# Altium PCB AI_PCB.PcbDoc (continued)
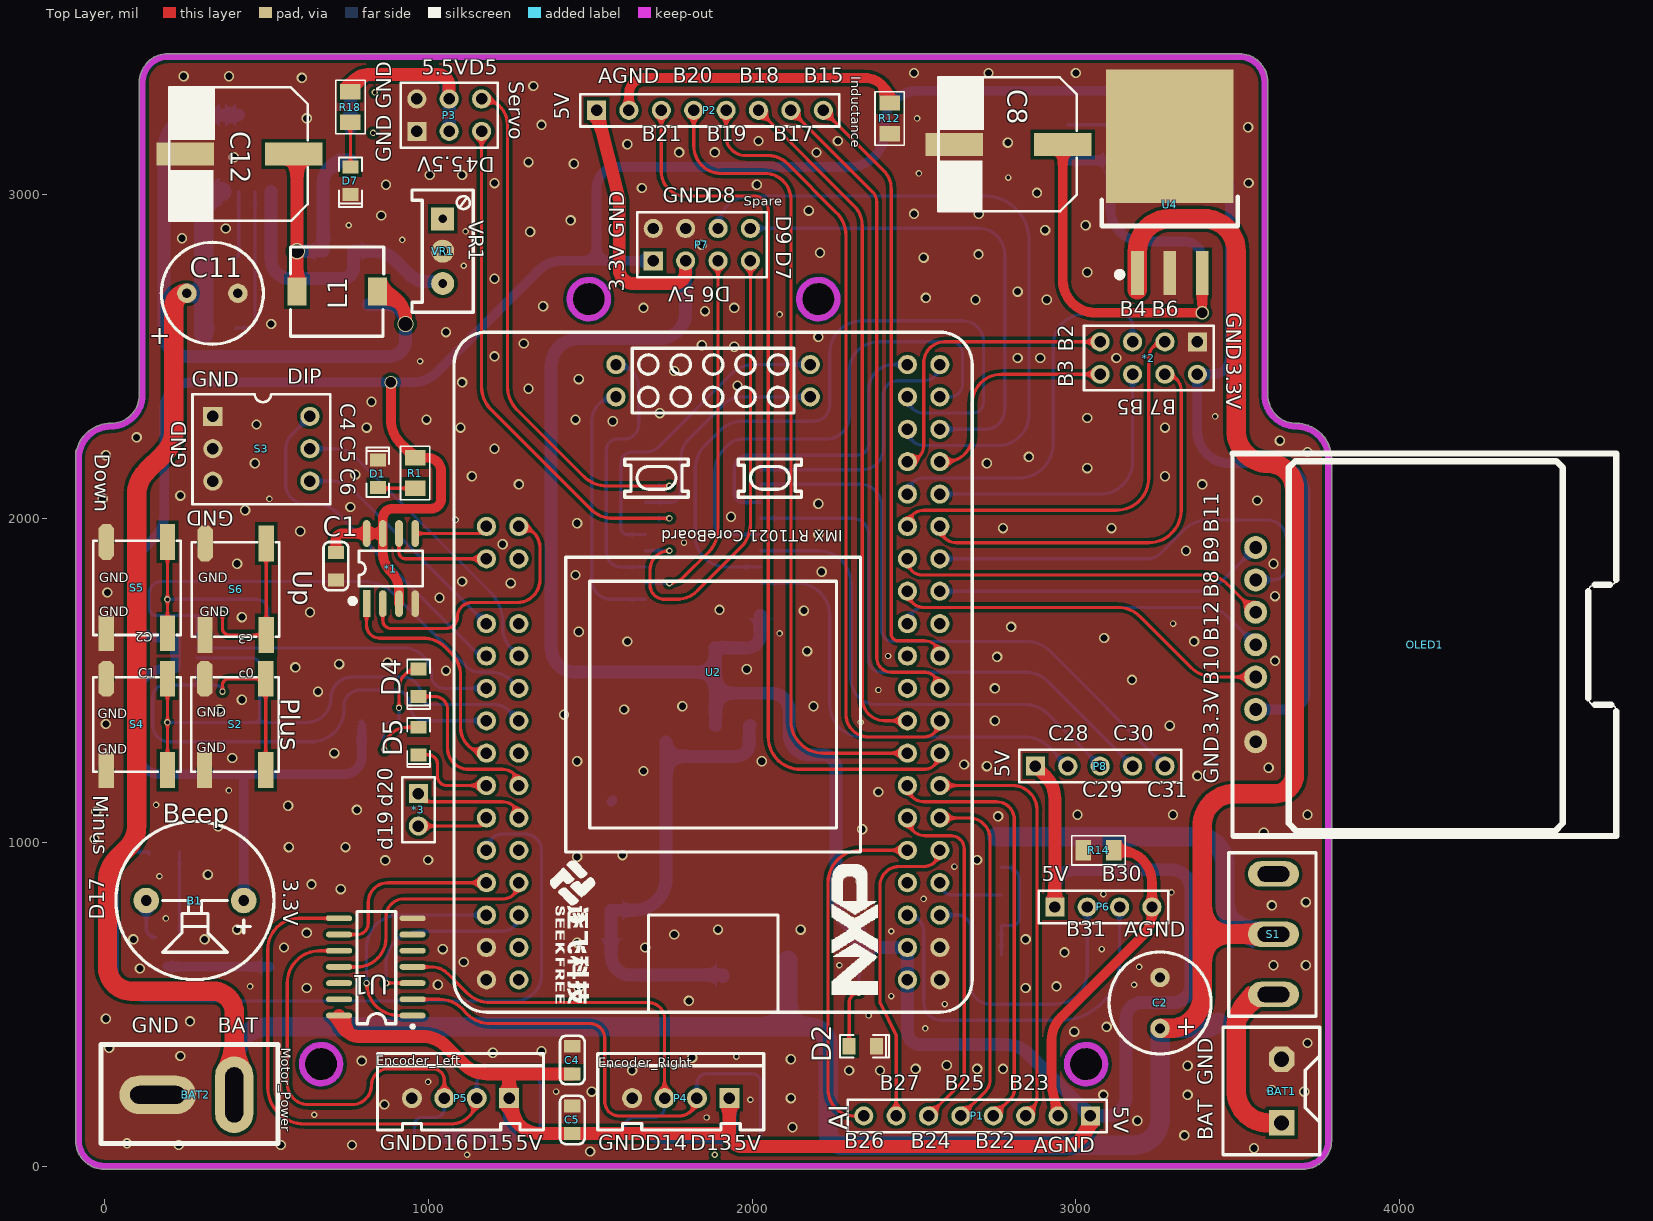
[diagram p0: Top Layer view]
## Nets (pads, with @x,y where several pads share a name; then routed paths per layer and width w, separated by ;. In a path a pad name is that pad's centre, name@x,y a point inside that pad or via, vN(x,y) a via of type N, cw(c..) or ccw(c..) an arc to the next point about the centre after c; other vN are vias at no path point)
3.3V: *1.3 *1.7 *1.8 *2.2 B1.1 C1.1 F2.2 OLED1.2 P7.1 R1.2 R13.2 RP1.5 RP1.6 RP1.7 RP1.8 RP2.3 RP2.4 | length 10019.2
  Top Layer w30: C1.1 715,1935 cw(c733.27,1935) 733.27,1953.27 *1.8 *1.7 ; v5(885,2420) 885,2303.67 ccw(c985,2303.67) 914.29,2232.95 R1.2 997.76,2187.24 cw(c997.76,2145) 1040,2145 1040,2060 cw(c1010,2060) 1010,2030 890,2030 ccw(c890,2000) 860,2000 *1.7 ; *1.3 910,1774.64 ccw(c824.64,1774.64) 885.04,1834.96 ccw(c824.64,1774.64) 885,1835 cw(c945.36,1895.36) 884.96,1835.04 cw(c945.36,1895.36) 860,1895.36 *1.7
  Bottom Layer w20: RP2.4 RP2.3
  Bottom Layer w30: B1.1 430.59,1209.41 430,1210 ; RP2.4 795,1265 cw(c740,1265) 740,1210 430,1210 ; P7.1 1520,2795 ; OLED1.2 3655,1410 ccw(c3655,1465) 3710,1465 3710,2070 ccw(c3610,2070) 3610,2170 3475,2170 cw(c3475,2270) 3375,2270 *2.2 3425,2445 ccw(c3425,2495) 3475,2495 3475,3015 ccw(c3385,3015) 3385,3105 F2.2 3213.15,3214.09 ccw(c3212.24,3214.09) R13.2 3212.24,3220 ccw(c3112.24,3220) 3112.24,3320 2510,3320 ccw(c2510,3220) 2410,3220 2410,3195 cw(c2300,3195) 2300,3085 1585,3085 ccw(c1585,3020) 1520,3020 1520,2795 ; 430,1210 175,1210 cw(c175,1290) 95,1290 95,1437.01 cw(c195,1437.01) 195,1537.01 RP1.8 RP1.7 RP1.6 RP1.5 168.5,1631.5 cw(c168.5,1715) 85,1715 85,1828.58 cw(c185,1828.58) 114.29,1899.29 155.71,1940.71 ccw(c85,2011.42) 185,2011.42 185,2335 cw(c270,2335) 270,2420 v5(885,2420) 953.58,2420 ccw(c953.58,2520) 1024.29,2449.29 1340.71,2765.71 cw(c1411.42,2695) 1411.42,2795 1520,2795
5.5V: F3.2 P3.3 P3.4 R18.2 | length 1002.3
  Top Layer w40: R18.2@767.87,3317.24 R18.2 cw(c812.76,3317.24) 812.76,3370 1030,3370 cw(c1030,3335) 1065,3335 P3.4
  Bottom Layer w40: F3.2@760,3205 F3.2 760,3300 cw(c830,3300) 830,3370 1030,3370 cw(c1030,3338.65) 1061.35,3338.65 1061.35,3298.65 P3.4 P3.3
5V: C4.1 C5.1 C10.1 F1.2 P1.1 P2.1 P4.1 P5.1 P6.1 P7.3 P8.1 R7.2 R8.2 R9.2 R10.2 R11.2 U1.14 U2.2 U2.4 U6.20 | length 11061.5
  Top Layer w40: U1.14 ccw(c790,465) 790,400 983.58,400 cw(c983.58,300) 1054.29,370.71 1110.71,314.29 ccw(c1181.42,385) 1181.42,285 1245,285 ; C4.1 1245,285 ; P2.1 1590,2985 1590,2769.14 ccw(c1634.14,2769.14) 1634.14,2725 1760,2725 ccw(c1760,2760) 1795,2760 P7.3 ; P4.1 1930,100 ; P8.1 2905.71,1204.29 cw(c2835,1133.58) 2935,1133.58 P6.1 ; P1.1 3045,150 cw(c2955,150) 2955,60 1970,60 cw(c1970,100) 1930,100 ; 1245,285 1250,280 P5.1 1250,200 ccw(c1350,200) 1350,100 C5.1 1930,100
  Bottom Layer w40: R9.2 R10.2 1252.76,207.24 ccw(c1250,207.24) P5.1 ; R7.2 1930,90 1931.38,91.38 1931.38,208.62 P4.1 ; P7.3 1795,2635 cw(c1715,2635) 1715,2555 1465,2555 ccw(c1465,2470) 1380,2470 1380,1600 ccw(c1455,1600) 1455,1525 1886.85,1525 ; F1.2 1886.85,1460 ; U6.20 2025,1699.2 2025,1640 cw(c1985,1640) 1985,1600 C10.1 1885,1595 1886.85,1593.15 1886.85,1525 ; P6.1 2935,855 cw(c2995,855) 2995,915 3295,915 cw(c3295,855) 3355,855 3355,560 cw(c3300,560) 3300,505 3205,505 ccw(c3205,455) 3155,455 3155,215 cw(c3095,215) 3095,155 P1.1 2854.29,345.71 ccw(c2783.58,275) 2783.58,375 2520,375 cw(c2520,415) 2480,415 U2.2 U2.4 2367.24,675 cw(c2367.24,712.24) R11.2 2322.13,712.24 2318.5,715.87 2318.5,723.74 2281.12,761.12 cw(c2332.12,812.12) 2260,812.12 2260,1228.58 ccw(c2218.58,1228.58) 2218.58,1270 2175,1270 cw(c2175,1330) 2115,1330 2115,1405 ccw(c2060,1405) 2060,1460 1886.85,1460 ; 1886.85,1460 1886.85,1525
AGND: P1.2 P2.2 P6.4 Q1.3 R6.1 R12.1 R14.1 | length 2260.9
  Top Layer w30: P2.2 1620,3310 cw(c1670,3310) 1670,3360 2347.24,3360 cw(c2347.24,3282.24) R12.1 ; P1.2 2925.71,241.79 2925,245 2925,388.58 cw(c3025,388.58) 2954.29,459.29 3205.71,710.71 ccw(c3135,781.42) 3235,781.42 P6.4 3235,875 ccw(c3135,875) 3135,975 R14.1
  Bottom Layer w30: Q1.3 195.81,615.81 509.71,615.81 R6.1
B2: *2.7 U2.34 | length 915.6
  Top Layer w10: U2.34 ccw(c2480,2225) 2530,2225 2530,2480 cw(c2595,2480) 2595,2545 *2.7
B3: *2.8 U2.33 | length 692
  Top Layer w10: U2.33 2600,2175 ccw(c2600,2255) 2680,2255 2680,2355 cw(c2770,2355) 2770,2445 *2.8
B4: *2.5 U2.32 | length 1212.7
  Bottom Layer w10: U2.32 cw(c2530,2075) 2530,2125 2825,2125 ccw(c2825,2230) 2930,2230 2930,2535 cw(c3025,2535) 3025,2630 3140,2630 cw(c3140,2595) 3175,2595 *2.5
B5: *2.6 U2.31 | length 922.1
  Bottom Layer w10: U2.31 3075,2075 ccw(c3075,2175) 3175,2175 *2.6
B6: *2.3 U2.30 | length 1279.2
  Top Layer w10: U2.30 cw(c2530,1975) 2530,2025 3125,2025 ccw(c3125,2125) 3225,2125 3225,2495 cw(c3275,2495) *2.3
B7: *2.4 U2.29 | length 1279.2
  Top Layer w10: U2.29 ccw(c2630,1975) 2630,1925 3225,1925 ccw(c3225,2025) 3325,2025 3325,2395 ccw(c3275,2395) *2.4
B8: OLED1.5 U2.28 | length 1149
  Top Layer w10: U2.28 2480,1870 ccw(c2525,1870) 2525,1825 3398.58,1825 cw(c3398.58,1725) 3469.29,1795.71 OLED1.5
B9: OLED1.6 U2.27 | length 1349.9
  Bottom Layer w10: U2.27 3220,1875 ccw(c3220,1935.36) 3262.68,1892.68 3335.71,1965.71 cw(c3406.42,1895) 3406.42,1995 3590,1995 cw(c3590,1935) 3650,1935 3650,1850 cw(c3610,1850) 3610,1810 OLED1.6
B10: OLED1.3 U2.26 | length 1184.1
  Top Layer w10: U2.26 ccw(c2530,1775) 2530,1725 3130,1725 cw(c3130,1628.43) 3198.28,1696.72 3355.71,1539.29 ccw(c3426.42,1610) 3426.42,1510 OLED1.3
B11: OLED1.7 U2.25 | length 1026.6
  Bottom Layer w10: U2.25 3378.58,1775 ccw(c3378.58,1875) 3449.29,1804.29 OLED1.7
B12: OLED1.4 U2.24 | length 1150.3
  Bottom Layer w10: U2.24@2482.46,1677.46 U2.24 cw(c2530,1675) 2530,1725 3398.58,1725 cw(c3398.58,1625) 3469.29,1695.71 OLED1.4
B15: P2.8 U2.21 | length 1889.7
  Top Layer w10: P2.8 2406.72,3073.28 cw(c2350.5,3017.07) 2430,3017.07 2430,1642.33 ccw(c2450.27,1642.33) 2450.27,1622.06 2532.94,1622.06 cw(c2532.94,1575) U2.21
B17: P2.7 U2.19 | length 2047.2
  Top Layer w10: P2.7 2372.5,3007.5 cw(c2342.32,2977.32) 2385,2977.32 2385,1570 ccw(c2430,1570) 2430,1525 2530,1525 cw(c2530,1475) U2.19
B18: P2.6 U2.18 | length 2123.9
  Top Layer w10: P2.6 2315.71,2964.29 cw(c2257.07,2905.65) 2340,2905.65 2340,1445 ccw(c2410,1445) 2410,1375 U2.18
B19: P2.5 U2.17 | length 2439.7
  Top Layer w10: P2.5 1920,3180 ccw(c1980,3180) 1980,3120 2050,3120 cw(c2050,3035.5) 2109.72,3095.28 ; 2109.75,3095.25 2260.71,2944.29 cw(c2190,2873.58) 2290,2873.58 2290,1395 ccw(c2360,1395) 2360,1325 2530,1325 ccw(c2530,1375) U2.17
B20: P2.4 U2.16 | length 2531.3
  Top Layer w10: P2.4 1820,3150 ccw(c1905,3150) 1905,3065 2040,3065 cw(c2040,2985) 2120,2985 2120,1375 ccw(c2220,1375) 2220,1275 U2.16
B21: P2.3 U2.15 | length 2829.1
  Top Layer w10: P2.3 1720,3070 ccw(c1795,3070) 1795,2995 2005,2995 cw(c2005,2950) 2050,2950 2050,1325 ccw(c2150,1325) 2150,1225 2530,1225 ccw(c2530,1275) U2.15
B22: P1.4 U2.14 | length 1330.4
  Top Layer w10: U2.14 ccw(c2530,1175) 2530,1125 2755,1125 cw(c2755,1070) 2810,1070 2810,234.35 cw(c2775.36,234.35) 2799.85,209.85 P1.4
B23: P1.3 U2.13 | length 1299.7
  Top Layer w10: U2.13 2805,1175 cw(c2805,1100) 2880,1100 2880,215 cw(c2819.64,215) 2862.32,172.32 P1.3
B24: P1.6 U2.12 | length 1097.6
  Top Layer w10: U2.12 ccw(c2535,1075) 2535,1020 2615,1020 cw(c2615,980) 2655,980 2655,286.42 cw(c2603.28,286.42) 2639.85,249.85 P1.6
B25: P1.5 U2.11 | length 1082.2
  Top Layer w10: U2.11 2670,1075 cw(c2670,1010) 2735,1010 2735,266.42 cw(c2683.28,266.42) 2719.85,229.85 P1.5
B26: P1.8 U2.10 | length 1097.7
  Top Layer w10: P1.8 2315,155 cw(c2315,235) 2235,235 2235,875 cw(c2335,875) 2335,975 U2.10
B27: P1.7 U2.9 | length 969.6
  Top Layer w10: P1.7 2445,405 2396.06,502.89 2395,505 2395,865 cw(c2455,865) 2455,925 2530,925 ccw(c2530,975) U2.9
B29: R3.2 U2.7 | length 211.6
  Bottom Layer w10: U2.7 ccw(c2617.76,875) 2617.76,837.24 R3.2
B30: P6.3 U2.6 | length 1205.6
  Bottom Layer w10: U2.6 cw(c2480,725) 2530,725 2530,505 ccw(c2585,505) 2585,450 2950.11,450 ccw(c2950.11,634.89) 3135,634.89 P6.3
B31: P6.2 U2.5 | length 944.2
  Bottom Layer w10: U2.5 2635,775 cw(c2635,735) 2675,735 2675,560 ccw(c2735,560) 2735,500 2935,500 ccw(c2935,600) 3035,600 P6.2
BAT: BAT2.2 C2.1 C3.2 C11.1 R2.2 R16.2 R17.1 S1.2 U3.1 U4.1 U5.4 | length 12335.8
  Top Layer w50: C11.1@255,2692.29 C11.1
  Top Layer w60: C11.1 ccw(c255,2655) 215,2655 215,2271.42 cw(c115,2271.42) 185.71,2200.71 129.29,2144.29 ccw(c200,2073.58) 100,2073.58 100,1051.42 cw(c0,1051.42) 70.71,980.71 39.29,949.29 ccw(c110,878.58) 10,878.58 10,615 ccw(c85,615) 85,540 335,540 cw(c335,473.78) 401.22,473.78 BAT2.2 BAT2.2@401.22,160 ; U4.1@3190,2705 U4.1 3190,2825 cw(c3290,2825) 3290,2925 3395,2925 cw(c3395,2825) 3495,2825 3495,2270 ccw(c3595,2270) 3595,2170 cw(c3595,2090) 3675,2090 3675,1210 cw(c3615,1210) 3615,1150 3490,1150 ccw(c3490,1050) 3390,1050 3390,716 ; C2.1 3290,425 ccw(c3290,525) 3390,525 3390,716 ; S1.2@3650,716 S1.2 3390,716
  Bottom Layer w60: C11.1 306.38,2695 ccw(c306.38,2696.38) 307.76,2696.38 ; R17.1@307.76,2570 R17.1@307.76,2587.76 ; R17.1 cw(c310.51,2587.76) R17.1@307.76,2587.76 ; U5.4@363.19,3008.78 361.44,3008.59 ccw(c367.7,2948.92) 307.76,2951.54 R16.2 307.76,2696.38 ; BAT2.2@401.22,160 BAT2.2 401.22,330 cw(c501.22,330) 501.22,430 2110,430 ; U3.1@2110,635 U3.1 2110,430 ; R2.2@2755,1017.24 R2.2 3372.76,1017.24 cw(c3372.76,930) 3460,930 3460,816 ccw(c3560,816) 3560,716 S1.2 S1.2@3655,716 ; C3.2 cw(c3391.72,493.28) 3391.72,425 C2.1 3260,145 cw(c3180,145) 3180,65 2274.29,65 cw(c2274.29,104.29) 2235,104.29 2235,370 ccw(c2175,370) 2175,430 2110,430 ; R17.1@307.76,2587.76 307.76,2696.38
Buffer_D6: P7.5 U6.3 | length 1138.4
  Top Layer w10: v2(1745,1800) ccw(c1745,1860.36) 1787.68,1817.68 1865.71,1895.71 ccw(c1795,1966.42) 1895,1966.42 P7.5
  Bottom Layer w10: U6.3 v2(1745,1800)
Buffer_D7: P7.7 U6.5 | length 1473.9
  Top Layer w10: v2(1745,1900) ccw(c1745,1840) 1685,1840 1685,1795 ccw(c1730,1795) 1730,1750 1767.5,1750 ccw(c1767.5,1840.53) 1831.52,1776.52 1965.71,1910.71 ccw(c1895,1981.42) 1995,1981.42 P7.7
  Bottom Layer w10: U6.5 v2(1745,1900)
C0: RP1.1 S2.2 U2.76 | length 2044.1
  Top Layer w10: v2(365,1465) 365,1485 cw(c385,1485) 385,1505 498.58,1505 S2.2@498.58,1222.72
  Bottom Layer w10: RP1.1 287,1485 ; v2(365,1465) ccw(c345,1465) 345,1485 287,1485 ; U2.76 990,1375 cw(c990,1420) 945,1420 ccw(c895,1420) 895,1470 790,1470 ccw(c790,1420) 740,1420 740,1410 cw(c640,1410) 640,1310 200,1310 cw(c200,1360) 150,1360 150,1450 cw(c185,1450) 185,1485 287,1485
C1: RP1.2 S4.2 U2.75 | length 1895.2
  Top Layer w10: S4.2@195,1222.72 v2(195,1370) S4.2@195,1505
  Bottom Layer w10: v2(195,1370) 480,1370 ; RP1.2 456.5,1568.5 cw(c456.5,1545) 480,1545 480,1370 ; U2.75 1247.68,1407.32 ccw(c1205,1364.64) 1205,1425 1005,1425 cw(c1005,1450) 980,1450 ccw(c920,1450) 920,1510 765,1510 ccw(c765,1445) 700,1445 cw(c625,1445) 625,1370 480,1370
C2: RP1.3 S5.2 U2.74 | length 1691.6
  Top Layer w10: S5.2@195,1645 v2(195,1750) S5.2@195,1927.28
  Bottom Layer w10: v2(195,1750) 470,1750 cw(c470,1715) 505,1715 505,1600 ; RP1.3 505,1600 ; U2.74 1050,1475 cw(c1050,1515) 1010,1515 ccw(c925,1515) 925,1600 505,1600
C3: RP1.4 S6.2 U2.73 | length 2116.3
  Top Layer w10: v2(365,1705) 365,1660 ccw(c385,1660) 385,1640 500,1640 S6.2@500,1922.28
  Bottom Layer w10: RP1.4 287,1700 ; v2(365,1705) cw(c360,1705) 360,1700 287,1700 ; 1254.72,1500.28 ccw(c1195,1440.5) 1195,1525 1160,1525 cw(c1160,1585.36) 1117.32,1542.68 892.95,1767.05 892.88,1767.12 ccw(c801.37,1675.53) 801.37,1805 175,1805 ccw(c175,1770) 140,1770 140,1720 ccw(c160,1720) 160,1700 287,1700 ; 1254.75,1500.25 U2.73
C4: S3.6 U2.72 | length 1081.2
  Bottom Layer w10: S3.6 580,2260 ccw(c628.28,2211.72) 560,2211.72 560,2105 ccw(c620,2105) 620,2045 653.58,2045 cw(c653.58,1957.07) 715.75,2019.25 1145.86,1589.14 ccw(c1180,1623.28) U2.72
C5: S3.5 U2.71 | length 961.4
  Bottom Layer w10: S3.5 681.72,2215 715.86,2215 cw(c715.86,2132.57) 774.11,2190.89 ; 774.14,2190.86 1189.34,1775.66 cw(c1091.18,1677.5) 1230,1677.5 1230,1660 ccw(c1314.5,1660) 1254.72,1600.28 ; 1254.75,1600.25 U2.71
C6: S3.4 U2.70 | length 723.6
  Bottom Layer w10: S3.4 704.64,2115 cw(c704.64,2029.64) 764.96,2090.04 cw(c704.64,2029.64) 765,2090 U2.70
C10: *1.6 U2.66 | length 339.7
  Top Layer w10: *1.6 910,1895 ccw(c930,1895) 930,1875 U2.66
C12: *1.5 U2.64 | length 241.1
  Top Layer w10: *1.5 1158.27,1953.27 ccw(c1158.27,1975) U2.64 U2.64@1171.35,1975
C13: *1.2 U2.63 | length 838.7
  Top Layer w10: *1.2 860,1685 ccw(c885,1685) 885,1660 1055,1660 ccw(c1055,1695) 1090,1695 cw(c1135,1695) 1135,1740 1275,1740 ccw(c1275,1810) 1345,1810 1345,1910 ccw(c1280,1910) U2.63
C28: U2.48 U6.2 | length 808.6
  Bottom Layer w10: U2.48 ccw(c1580,2300) 1505,2300 1505,1810 ccw(c1565,1810) 1565,1750 U6.2
C29: U2.47 U6.4 | length 832.8
  Bottom Layer w10: U2.47 cw(c1580,2405) 1650,2405 1650,2290 cw(c1605,2290) 1605,2245 1585,2245 ccw(c1585,2210) 1550,2210 1550,1895 ccw(c1595,1895) 1595,1850 U6.4
C30: U2.46 U6.6 | length 997.8
  Bottom Layer w10: U6.6 1615.86,1950 cw(c1615.86,1970.86) 1595,1970.86 1595,2170 cw(c1630,2170) 1630,2205 1673.6,2205 ; 1673.64,2205 ccw(c1673.64,2256.56) 1710.14,2220.14 1935.71,2445.71 cw(c2006.42,2375) 2006.42,2475 U2.46
C31: U2.45 U6.8 | length 722.3
  Bottom Layer w10: U6.8 1750,2050 ccw(c1750,2080) 1780,2080 1780,2183.58 cw(c1867.93,2183.58) 1805.75,2245.75 1909.25,2349.25 cw(c1971.42,2287.07) 1971.42,2375 U2.45
D4: U2.40 U6.13 | length 964.6
  Bottom Layer w10: U6.13 1970,2050 cw(c1970,2075) 1945,2075 1945,2155 cw(c1985,2155) 1985,2195 2325,2195 ccw(c2325,2230) 2360,2230 2360,2397.5 cw(c2437.5,2397.5) 2437.5,2475 U2.40
D5: U2.39 U6.11 | length 810.5
  Bottom Layer w10: U6.11 2340,2150 ccw(c2340,2215) 2405,2215 2405,2380 cw(c2450,2380) 2450,2425 2530,2425 ccw(c2530,2475) U2.39
D6: U2.38 U6.17 | length 2181.2
  Bottom Layer w10: U6.17 1920,1850 cw(c1920,1945) 1825,1945 1825,2153.58 cw(c1925,2153.58) 1854.29,2224.29 1900.71,2270.71 cw(c1971.42,2200) 1971.42,2300 2190,2300 ccw(c2190,2350) 2240,2350 2240,2510 cw(c2340,2510) 2340,2610 2650,2610 cw(c2650,2545) 2715,2545 2715,2360 cw(c2680,2360) 2680,2325 2530,2325 cw(c2530,2375) U2.38
D7: U2.37 U6.15 | length 1585
  Bottom Layer w10: U6.15 1915,1950 cw(c1915,1980) 1885,1980 1885,2143.58 cw(c1985,2143.58) 1914.29,2214.29 1927.32,2227.32 cw(c1970,2184.64) 1970,2245 2230,2245 ccw(c2230,2315) 2300,2315 2300,2455 cw(c2390,2455) 2390,2545 2615,2545 cw(c2615,2510) 2650,2510 2650,2415 cw(c2610,2415) 2610,2375 U2.37
D8: P7.6 U2.36 | length 2091.9
  Bottom Layer w10: P7.6 cw(c1995,2895) 1995,2995 2720,2995 cw(c2720,2860) 2855,2860 2855,2320 cw(c2760,2320) 2760,2225 2530,2225 cw(c2530,2275) U2.36
D9: P7.8 U2.35 | length 1545.8
  Bottom Layer w10: P7.8 1995.86,2895.86 2699.14,2895.86 cw(c2699.14,2815) 2780,2815 2780,2335 cw(c2720,2335) 2720,2275 U2.35
D13: U1.1 U2.88 | length 736.2
  Top Layer w10: v2(810,565) ccw(c910,565) 910,465 U1.1
  Bottom Layer w10: v2(810,565) 810,675 cw(c910,675) 910,775 U2.88
D14: U1.3 U2.87 | length 637.6
  Top Layer w10: v2(870,565) U1.3
  Bottom Layer w10: v2(870,565) 870,625 cw(c970,625) 970,725 1230,725 ccw(c1230,775) U2.87
D15: U1.9 U2.86 | length 574.5
  Top Layer w10: U1.9 781.47,715 ccw(c781.47,748.53) 815,748.53 815,814.16 cw(c875.84,814.16) 875.84,875 U2.86
D16: U1.11 U2.85 | length 731.3
  Top Layer w10: U1.11 780,615 ccw(c780,705) 870,705 870,770 cw(c925,770) 925,825 1230,825 ccw(c1230,875) U2.85
D17: R4.1 U2.84 | length 2479.2
  Bottom Layer w10: R4.1@137.76,962.13 R4.1 75,970 ccw(c75,935) 40,935 40,610 ccw(c110,610) 40.81,599.36 ccw(c130.17,599.36) 130.17,510 1270,510 ccw(c1270,590) 1350,590 1350,975 ccw(c1300,975) 1300,1025 1230,1025 ccw(c1230,975) U2.84
D19: *3.2 U2.82 | length 224.3
  Top Layer w10: *3.2 1155,1050 ccw(c1155,1075) U2.82
D20: *3.1 U2.81 | length 352.8
  Top Layer w10: *3.1 ccw(c995,1150) 995,1125 1230,1125 cw(c1230,1075) U2.81
D21: D5.2 U2.80 | length 280.2
  Top Layer w10: D5.2 1000,1270 cw(c1000,1241.45) 1028.55,1241.45 1028.55,1204.13 ccw(c1057.68,1204.13) 1057.68,1175 U2.80
D22: D4.2 U2.79 | length 518.5
  Top Layer w10: D4.2 1020,1450 cw(c1020,1410) 1060,1410 1060,1290 ccw(c1125,1290) 1125,1225 1230,1225 cw(c1230,1175) U2.79
D23: *1.1 U2.78 | length 727.8
  Top Layer w10: *1.1 810,1670 ccw(c850,1670) 850,1630 983.58,1630 cw(c983.58,1530) 1054.29,1600.71 1071.72,1583.28 cw(c1003.43,1515) 1100,1515 1100,1355 ccw(c1180,1355) U2.78
GND: *1.4 *2.1 BAT1.2 BAT2.1 C1.2 C2.2 C3.1 C4.2 C5.2 C6.2 C7.1 C8.2 C9.1 C10.2 C11.2 C12.2 D1.2 D2.2 D3.2 D6.1 D7.2 OLED1.1 P3.1 P3.2 P4.4 P5.4 P7.2 P7.4 R5.1 R6.2 R12.2 R14.2 S2.1 S3.1 S3.2 S3.3 S4.1 S5.1 S6.1 U1.7 U2.1 U2.3 U2.90 U2.92 U3.2 U4.2 U5.7 U5.8 U6.1 U6.10 U6.19 VR1.2 | length 14.1
  Top Layer w30: S4.1@6.02,1222.72 S4.1@6.22,1222.91 ; S5.1@6.22,1644.8 6.02,1645 S5.1@6.22,1645.2 ; S5.1@6.22,1927.09 S5.1@6.42,1927.28 ; S4.1@6.42,1502.28 6.22,1502.48 6.22,1504.8 S4.1@6.42,1505 ; S2.1@309.61,1222.72 S2.1@309.8,1222.91 ; S2.1@309.8,1504.8 310,1505 S2.1@310.51,1505.51 ; S6.1@310.51,1639.49 311.02,1640 S6.1@311.22,1640.2 ; S6.1@311.22,1922.09 S6.1@311.42,1922.28
  Bottom Layer w30: C6.2 C6.2@1570.35,1130
  other v1: 1500,45 3550,55 230,65 545,65 765,65 70,70 3335,95 2125,120 3190,140 865,190 2120,210 3085,220 3345,220 1505,230 3705,230 3605,235 1630,295 2300,295 2395,295 2505,300 2695,300 2775,300 3345,310 2601.11,311.51 795,325 2120,330 1815,335 235,340 1200,350 1350,355 15,365 3715,380 2995,415 3095,430 264.64,446.81 5,455 1805,510 625,550 1465,550 2845,550 2940,555 1030,560 110,610 3610,620 3710,620 1110,630 2965,660 1045,670 555,675 1670,675 1460,690 90,700 310,700 2845,700 1760,715 625,720 410,730 1895,730 2150,730 3605,805 3710,815 730,855 640,870 2335,880 320,900 867.52,944.13 1000,945 2695,945 1460,955 1600,960 570,984.85 745,985 -30,1010 3580,1030 2340,1040 351.87,1048.84 2760,1080 3005,1085 3300,1085 3715,1085 -25,1095 780,1100 567.73,1112.69 2390,1155 3375,1205 1665,1220 3595,1230 2725,1235 2655,1240 1460,1250 2030,1250 395,1260 710,1275 3290,1360 5,1365 2750,1375 1419.53,1393.95 355,1410 1605,1410 1785,1420 2190,1420 425,1440 660,1465 2750,1475 3173.1,1501.14 1055,1530 1983.91,1534.06 590,1540 725,1550 875,1555 3615,1560 2756.9,1572.14 2170,1590 1615.29,1619.78 3365,1620 3087.16,1630.57 1465,1650 2800,1665 425,1695 635,1710 2160,1715 1899.65,1717.53 1035,1755 3615,1760 9.56,1771.17 1255,1800 1105,1805 1455,1825 2215,1835 410,1860 3610,1860 3340,1900 1230,1920 2205,1950 605,1960 2775,1970 3110,1970 1460,1985 1935,2005 435,2025 760,2035 2205,2045 3560,2055 -5,2060 235,2070 1280,2105 3390,2105 1135,2130 3275,2130 775,2135 3035,2155 465,2170 2725,2170 2855,2190 5,2195 3715,2205 1205,2215 3630,2240 100,2250 810,2280 1100,2280 3275,2280 470,2290 1570,2300 995,2305 1455,2305 3035,2310 1715,2325 825,2360 1310,2400 1955,2410 1105,2420 1465,2430 1760,2455 2820,2495 2890,2495 3125,2495 1205,2500 1945,2530 1845,2535 1295,2540 2205,2560 1055,2575 515,2600 1855,2640 1665,2650 1945,2650 1355,2655 2690,2675 2910,2675 2536.82,2680.92 2820,2700 1205,2740 3035,2760 2530,2805 2699.14,2815 2210,2820 1845,2845 240,2865 1315,2885 2905,2890 375,2895 3030,2905 1440,2920 855,2935 2500,2940 2700,2940 2175,2950 2880,3005 1660,3020 870,3030 2015,3030 1205,3035 3533.49,3035.63 1005,3060 1105,3060 1450,3095 1310,3100 400,3115 1775,3130 1885,3130 2199,3129.64 1615,3155 2790,3160 2020,3165 2265,3165 3531.75,3207.76 1350,3215 625,3235 1325,3335 610,3360 245,3365 385,3365 2500,3375 2730,3375 3000,3375
  other v2: 1120,35 1860,150 648.29,158.36 1995,205 1395,230 1000,260 1951.61,337.85 2535,425 2360,465 2595,500 2430,525 450,555 3180,560 3195,615 2270,620 3080,670 2430,725 190,765 2345,800 2530,825 3085,840 3295,845 170,895 2625,925 160,1115 385,1160 2335,1370 2390,1470 2420,1575 2085,1645 3300,1675 1790,1925 1085,1995 510,2060 3430,2315 975,2485 2085,2630 1110,2780 920,2860 1115.43,2886.01 755,2905 250,3030 2791.24,3052.2 2515,3065 295.79,3189.83 2510,3235 2615,3250
L_ENC1: P5.2 R10.1 U1.8 | length 1898.5
  Top Layer w10: U1.8 600,765 ccw(c600,670) 505,670 505,242.73 ccw(c617.73,242.73) 617.73,130 1070,130 ccw(c1070,210) P5.2
  Bottom Layer w10: P5.2 1150,255 cw(c1185,255) 1185,290 1300,290 cw(c1300,242.76) 1347.24,242.76 R10.1
L_ENC2: P5.3 R9.1 U1.10 | length 1377.2
  Top Layer w10: U1.10 665,665 ccw(c665,565) 565,565 565,255 ccw(c630,255) 630,190 765,190 ccw(c765,250) 825,250 cw(c875,250) 875,300 1015,300 cw(c1015,265) 1050,265 P5.3
  Bottom Layer w10: R9.1 957.76,127.76 cw(c980,127.76) 980,150 1020.95,150 ccw(c1020.95,179.05) 1050,179.05 P5.3
NetB1_2: B1.2 Q1.1 | length 129.5
  Bottom Layer w10: B1.2 129.41,734.8 ccw(c157.6,734.8) Q1.1
NetBAT1_1: BAT1.1 S1.1 | length 566
  Top Layer w60: S1.1 3595,530 ccw(c3595,430) 3495,430 3495,233.15 ccw(c3595,233.15) 3595,133.15 BAT1.1
NetC6_1: C6.1 C7.2 F1.1 U3.3 | length 1505.6
  Bottom Layer w40: C7.2 1735,1265 ; U3.3 1910,589.69 1909.69,590 1625,590 cw(c1625,650) 1565,650 C6.1 1635,790 ccw(c1635,890) 1735,890 1735,1265 ; F1.1 1991.5,1358.35 1991.5,1306.5 cw(c1950,1306.5) 1950,1265 1735,1265
NetC8_1: C8.1 C9.2 F2.1 U4.3 | length 1848.7
  Top Layer w30: C8.1 2959.65,2735 ccw(c3059.65,2735) 3059.65,2635 v4(3390,2635) U4.3
  Bottom Layer w30: C9.2 F2.1 3106.85,2955 ccw(c3206.85,2955) 3206.85,2855 3335,2855 cw(c3335,2800) 3390,2800 v4(3390,2635)
NetC12_1: C12.1 F3.1 L1.2 R15.2 | length 844.8
  Top Layer w40: C12.1 595,3115 v3(595,2825) L1.2
  Bottom Layer w40: v3(595,2825) R15.2 675.51,3034.17 cw(c748.19,3034.17) 748.19,3106.85 F3.1
NetD1_1: D1.1 R1.1 | length 115.9
  Top Layer w10: D1.1 847.24,2092.76 R1.1
NetD2_1: D2.1 R11.1 | length 264.9
  Top Layer w10: D2.1 2300,505 cw(c2330,505) v2(2330,535)
  Bottom Layer w10: v2(2330,535) R11.1
NetD3_1: D3.1 R13.1 | length 142.8
  Bottom Layer w10: D3.1 R13.1
NetD4_1: D4.1 RP2.6 | length 241.7
  Top Layer w10: v2(910,1415) 910,1475 cw(c970,1475) D4.1
  Bottom Layer w10: RP2.6 893.5,1368.5 ccw(c893.5,1385) 910,1385 v2(910,1415)
NetD5_1: D5.1 RP2.5 | length 202.9
  Top Layer w10: v2(865,1285) cw(c935,1285) 935,1355 D5.1 D5.1@972.99,1357.99
  Bottom Layer w10: RP2.5 862,1288 ccw(c865,1288) v2(865,1285)
NetD6_2: D6.2 L1.1 U5.5 U5.6 | length 2037.7
  Top Layer w40: L1.1@843.03,2686.22 L1.1 cw(c843.03,2613.03) 930,2613.03 v3(930,2600)
  Bottom Layer w40: U5.6 U5.5 285,3245 ccw(c285,3145) 185,3145 185,2570 ccw(c255,2570) 255,2500 880,2500 ccw(c880,2550) 930,2550 v3(930,2600) ccw(c870,2600) 870,2660 D6.2
NetD7_1: D7.1 R18.1 | length 137.8
  Top Layer w10: D7.1 R18.1
NetQ1_2: Q1.2 R4.2 | length 263.5
  Bottom Layer w10: R4.2 232.4,969.84 Q1.2
NetR2_1: R2.1 R3.1 R5.2 | length 354.8
  Bottom Layer w10: R5.2 R3.1 2802.76,742.76 ccw(c2802.76,765) 2825,765 2825,885 ccw(c2787.24,885) 2787.24,922.76 R2.1
NetR15_1: R15.1 U5.1 VR1.3 | length 876.9
  Bottom Layer w40: U5.1 515,2800 ccw(c575,2800) 575,2740 735,2740 ccw(c735,2775) 770,2775 R15.1 828.58,2825 cw(c828.58,2725) 899.29,2795.71 942.24,2752.76 ccw(c995,2805.52) 995,2730.91 1039.09,2730.91 VR1.3
NetR16_1: R16.1 U5.3 | length 211.1
  Bottom Layer w10: R16.1 ccw(c402.24,2817.76) 415,2817.76 U5.3
NetR17_2: R17.2 U5.2 | length 470.5
  Bottom Layer w10: R17.2 407.76,2587.76 437.76,2587.76 ccw(c437.76,2615) 465,2615 U5.2
PWM1_IN1: P8.2 U6.18 | length 1371.3
  Bottom Layer w10: U6.18 2140,1800 cw(c2140,1700) 2240,1700 2240,1425 ccw(c2340,1425) 2340,1325 2843.58,1325 cw(c2843.58,1225) 2914.29,1295.71 P8.2
PWM1_IN2: P8.3 U6.16 | length 1521.3
  Bottom Layer w10: U6.16 2205,1900 cw(c2205,1800) 2305,1800 2305,1505 ccw(c2385,1505) 2385,1425 2843.58,1425 cw(c2843.58,1325) 2914.29,1395.71 P8.3
PWM2_IN1: P8.4 U6.14 | length 1701.4
  Bottom Layer w10: U6.14 2310,2000 cw(c2310,1950) 2360,1950 2360,1565 ccw(c2400,1565) 2400,1525 2843.58,1525 cw(c2843.58,1425) 2914.29,1495.71 P8.4
PWM2_IN2: P8.5 U6.12 | length 1849.3
  Bottom Layer w10: U6.12 cw(c2030.8,2100) 2030.8,2105 2335,2105 cw(c2335,2040) 2400,2040 2400,1655 ccw(c2435,1655) 2435,1620 2848.58,1620 cw(c2848.58,1520) 2919.29,1590.71 P8.5
R_ENC1: P4.2 R8.1 U1.2 | length 1621
  Top Layer w10: U1.2 1035,515 cw(c1035,418.43) 1103.26,486.74 ; 1103.28,486.72 1120.71,469.29 ccw(c1191.42,540) 1191.42,440 1500,440 cw(c1500,395) 1545,395 1545,200 ccw(c1590,200) 1590,155 1775,155 ccw(c1775,210) P4.2
  Bottom Layer w10: P4.2 1830,255 cw(c1860,255) 1860,285 2000,285 cw(c2000,257.76) 2027.24,257.76 R8.1
R_ENC2: P4.3 R7.1 U1.4 | length 1306.6
  Top Layer w10: U1.4 1010,615 cw(c1010,542.57) 1061.19,593.81 1120.71,534.29 ccw(c1191.42,605) 1191.42,505 1680,505 cw(c1680,455) 1730,455 P4.3
  Bottom Layer w10: R7.1 1607.76,122.76 cw(c1635,122.76) 1635,150 1698.18,150 ccw(c1698.18,181.82) 1730,181.82 P4.3
S3010_1: P3.5 U6.7 | length 1626.1
  Top Layer w10: P3.5 1165,2406.42 ccw(c1265,2406.42) 1194.29,2335.71 1500.71,2029.29 ccw(c1571.42,2100) 1571.42,2000 v2(1745,2000)
  Bottom Layer w10: U6.7 v2(1745,2000)
S3010_2: P3.6 U6.9 | length 1650.3
  Top Layer w10: P3.6 cw(c1165,3215) 1245,3215 1245,2406.42 ccw(c1345,2406.42) 1274.29,2335.71 1480.71,2129.29 ccw(c1551.42,2200) 1551.42,2100 v2(1745,2100)
  Bottom Layer w10: U6.9 v2(1745,2100)
pads on no net: OLED1. RP2.1 RP2.2 RP2.7 RP2.8 S1.3 U1.5 U1.6 U1.12 U1.13 U2.8 U2.20 U2.22 U2.23 U2.65 U2.69 U2.77 U2.83 U2.89 U2.91 VR1.1
copper on no net:
  other v2: 1885,35 830,3190 835,3315

## Polygon pours and split planes (outlines as drawn)
GND on Bottom Layer "Top Layer-No Net" (solid, pour order 0): -88.6,78.74 ccw(c0,78.74) 0,-9.86 3700.79,-9.86 ccw(c3700.79,78.74) 3789.39,78.67 ccw(c3779.53,78.74) 3789.39,78.74 3789.39,2185.04 ccw(c3779.53,2185.04) 3789.39,2185.12 ccw(c3681.1,2185.04) 3681.1,2293.32 cw(c3681.1,2381.89) 3592.53,2381.78 ccw(c3582.68,2381.89) 3592.54,2381.89 3592.54,3346.46 ccw(c3582.68,3346.46) 3592.53,3346.57 cw(c3503.94,3346.46) 3592.53,3346.46 3592.53,3346.57 ccw(c3503.94,3346.46) 3503.94,3435.05 ccw(c3503.94,3425.2) 3503.8,3435.05 196.85,3435.05 cw(c196.85,3425.2) 196.98,3435.05 196.85,3435.05 ccw(c196.85,3346.46) 108.25,3346.55 ccw(c196.85,3346.46) 108.25,3346.46 ccw(c118.11,3346.46) 108.25,3346.46 cw(c118.11,3346.46) 108.25,3346.55 108.25,3346.46 108.25,2381.89 ccw(c118.11,2381.89) 108.25,2381.81 ccw(c19.68,2381.89) 108.25,2381.89 cw(c118.11,2381.89) 108.25,2381.89 108.25,2381.81 cw(c19.68,2381.89) 19.68,2293.32 ccw(c19.68,2185.04) -85.13,2212.23 ccw(c-78.74,2204.72) -88.6,2204.72
GND on Top Layer "Top Layer-No Net1" (solid, pour order 1): -88.6,78.74 ccw(c0,78.74) 0,-9.86 3700.79,-9.86 ccw(c3700.79,78.74) 3789.39,78.67 ccw(c3779.53,78.74) 3789.39,78.74 3789.39,2185.04 ccw(c3779.53,2185.04) 3789.39,2185.12 ccw(c3681.1,2185.04) 3681.1,2293.32 cw(c3681.1,2381.89) 3592.53,2381.78 ccw(c3582.68,2381.89) 3592.54,2381.89 3592.54,3346.46 ccw(c3582.68,3346.46) 3592.53,3346.57 cw(c3503.94,3346.46) 3592.53,3346.46 3592.53,3346.57 ccw(c3503.94,3346.46) 3503.94,3435.05 ccw(c3503.94,3425.2) 3503.8,3435.05 196.85,3435.05 cw(c196.85,3425.2) 196.98,3435.05 196.85,3435.05 ccw(c196.85,3346.46) 108.25,3346.55 ccw(c196.85,3346.46) 108.25,3346.46 ccw(c118.11,3346.46) 108.25,3346.46 cw(c118.11,3346.46) 108.25,3346.55 108.25,3346.46 108.25,2381.89 ccw(c118.11,2381.89) 108.25,2381.81 ccw(c19.68,2381.89) 108.25,2381.89 cw(c118.11,2381.89) 108.25,2381.89 108.25,2381.81 cw(c19.68,2381.89) 19.68,2293.32 ccw(c19.68,2185.04) -85.13,2212.23 ccw(c-78.74,2204.72) -88.6,2204.72

## Keep-outs
Keep-Out Layer:
  circle w19.68: c3031.5,314.96 r59.06
  circle w19.68: c1496.06,2677.03 r59.06
  circle w19.68: c2204.72,2677.03 r59.06
  circle w19.68: c669.29,314.96 r59.06
  lines w19.68: -78.74,2185.04 cw(c19.68,2185.04) 19.68,2283.46 ccw(c19.68,2381.89) 118.11,2381.89 118.11,2992.13 118.11,3346.46 cw(c196.85,3346.46) 196.85,3425.2 3503.94,3425.2 cw(c3503.94,3346.46) 3582.68,3346.46 3582.68,2992.13 ; -78.74,2204.72 -78.74,78.74 ccw(c0,78.74) 0,0 3700.79,0 ccw(c3700.79,78.74) 3779.53,78.74 3779.53,2185.04 ccw(c3681.1,2185.04) 3681.1,2283.46 cw(c3681.1,2381.89) 3582.68,2381.89 ; 3582.68,2381.89 3582.68,2992.13 ; 3582.68,2381.89 3582.68,2992.13

## Silkscreen, mask and mechanical layers (free items; w line width, h text height)
Top Overlay:
  text "Inductance" at 2295,3365 h50 r270
  text "5.5V" at 980,3353.68 h80
  text "D5" at 1125,3353.97 h80
  text "Servo" at 1233.31,3350 h80 r270
  text "B20" at 1755,3328.9 h80
  text "B18" at 1960,3329.05 h80
  text "B15" at 2160,3328.97 h80
  text "AGND" at 1525,3328.31 h80
  text "GND" at 901.69,3265 h80 r90
  text "5V" at 1451.03,3230 h80 r90
  text "B21" at 1660,3148.9 h80
  text "B19" at 1860,3149.05 h80
  text "B17" at 2065,3148.9 h80
  text "5.5V" at 1110,3131.32 h80 r180
  text "D4" at 1205,3129.92 h80 r180
  text "GND" at 901.69,3100 h80 r90
  text "D8" at 1860,2959.05 h80
  text "GND" at 1725,2958.31 h80
  text "Spare" at 1975,2955 h50
  text "D9" at 2059.05,2935 h80 r270
  text "VR1" at 1110.1,2920 h80 r270
  text "GND" at 1621.69,2865 h80 r90
  text "D7" at 2058.9,2825 h80 r270
  text "5V" at 1825,2731.03 h80 r180
  text "D6" at 1935,2731.03 h80 r180
  text "3.3V" at 1621.4,2700 h80 r90
  text "GND" at 3448.23,2635 h80 r270
  text "B4" at 3135,2608.23 h80
  text "B6" at 3235,2608.23 h80
  text "B2" at 3006.77,2515 h80 r90
  text "3.3V" at 3448.23,2480 h80 r270
  text "B3" at 3006.77,2405 h80 r90
  text "DIP" at 565,2400 h80
  text "GND" at 270,2391.63 h80
  text "B5" at 3210,2381.77 h80 r180
  text "B7" at 3310,2381.77 h80 r180
  text "C4" at 713.23,2355 h80 r270
  text "C5" at 713.23,2255 h80 r270
  text "Down" at -44.9,2200 h80 r270
  text "GND" at 268.37,2155 h80 r90
  text "C6" at 713.23,2155 h80 r270
  text "GND" at 400,2038.37 h80 r180
  text "B11" at 3456.77,1955 h80 r90
  text "B9" at 3456.77,1860 h80 r90
  text "Up" at 562.74,1840 h100 r270
  text "GND" at -15,1791.63 h50
  text "GND" at 290,1791.63 h50
  text "B8" at 3456.77,1755 h80 r90
  text "GND" at -15,1686.63 h50
  text "GND" at 295,1686.63 h50
  text "C2" at 150,1658.37 h50 r180
  text "c3" at 460,1653.37 h50 r180
  text "B12" at 3456.77,1620 h80 r90
  text "C1" at 105,1496.63 h50
  text "c0" at 415,1496.63 h50
  text "B10" at 3456.77,1485 h80 r90
  text "Plus" at 525.1,1445 h100 r270
  text "GND" at 285,1376.63 h50
  text "GND" at -20,1371.63 h50
  text "3.3V" at 3456.77,1330 h80 r90
  text "C28" at 2915,1298.23 h80
  text "C30" at 3115,1298.23 h80
  text "GND" at 285,1266.63 h50
  text "GND" at -20,1261.63 h50
  text "5V" at 2811.1,1200 h80 r90
  text "GND" at 3456.77,1180 h80 r90
  text "Minus" at -49.9,1145 h80 r270
  text "C29" at 3020,1123.23 h80
  text "C31" at 3220,1123.23 h80
  text "d20" at 906.1,1110 h80 r90
  text "Beep" at 180,1040.1 h100
  text "d19" at 905.95,975 h80 r90
  text "3.3V" at 536.63,885 h80 r270
  text "5V" at 2895,863.9 h80
  text "B30" at 3080,863.9 h80
  text "D17" at 16.1,760 h80 r90
  text "B31" at 2970,693.9 h80
  text "AGND" at 3150,693.31 h80
  text "GND" at 85,396.63 h80
  text "BAT" at 350,396.63 h80
  text "Motor_Power" at 535,365 h50 r270
  text "Encoder_Left" at 840,300.1 h50
  text "Encoder_Right" at 1525,295.1 h50
  text "GND" at 3438.37,250 h80 r90
  text "B27" at 2395,218.9 h80
  text "B25" at 2595,218.9 h80
  text "B23" at 2795,218.9 h80
  text "5V" at 3101.63,185 h80 r270
  text "AI" at 2314.9,110 h100 r90
  text "BAT" at 3438.37,80 h80 r90
  text "B26" at 2285,38.9 h80
  text "B24" at 2490,38.9 h80
  text "B22" at 2690,38.9 h80
  text "D16" at 995,33.97 h80
  text "D15" at 1135,33.97 h80
  text "5V" at 1270,33.97 h80
  text "D14" at 1670,33.97 h80
  text "D13" at 1810,33.9 h80
  text "5V" at 1945,33.97 h80
  text "GND" at 850,33.31 h80
  text "GND" at 1525,33.31 h80
  text "AGND" at 2870,26.63 h80

## Text inside footprints (layer, text, board x,y; h text height)
C2: Top Overlay "+" at 3365,395 h60 r90
C11: Top Overlay "+" at 136.89,2537.52 h60
U2: Top Overlay "IMX RT1021 CoreBoard" at 2280,1975 h60 r180